# Altium PCB HV_Module_6W.PCBDOC (part 2 of 4)
Units mil, origin at the board's own origin, x right, y up, seen from the top; angles counter-clockwise.
Board outline 5826.77 x 3385.83 mil, 4 copper layers (Top, L2, L3, Bot), stack 62.992 mil thick; 457 components, 280 nets, 1264 pads, 435 vias.
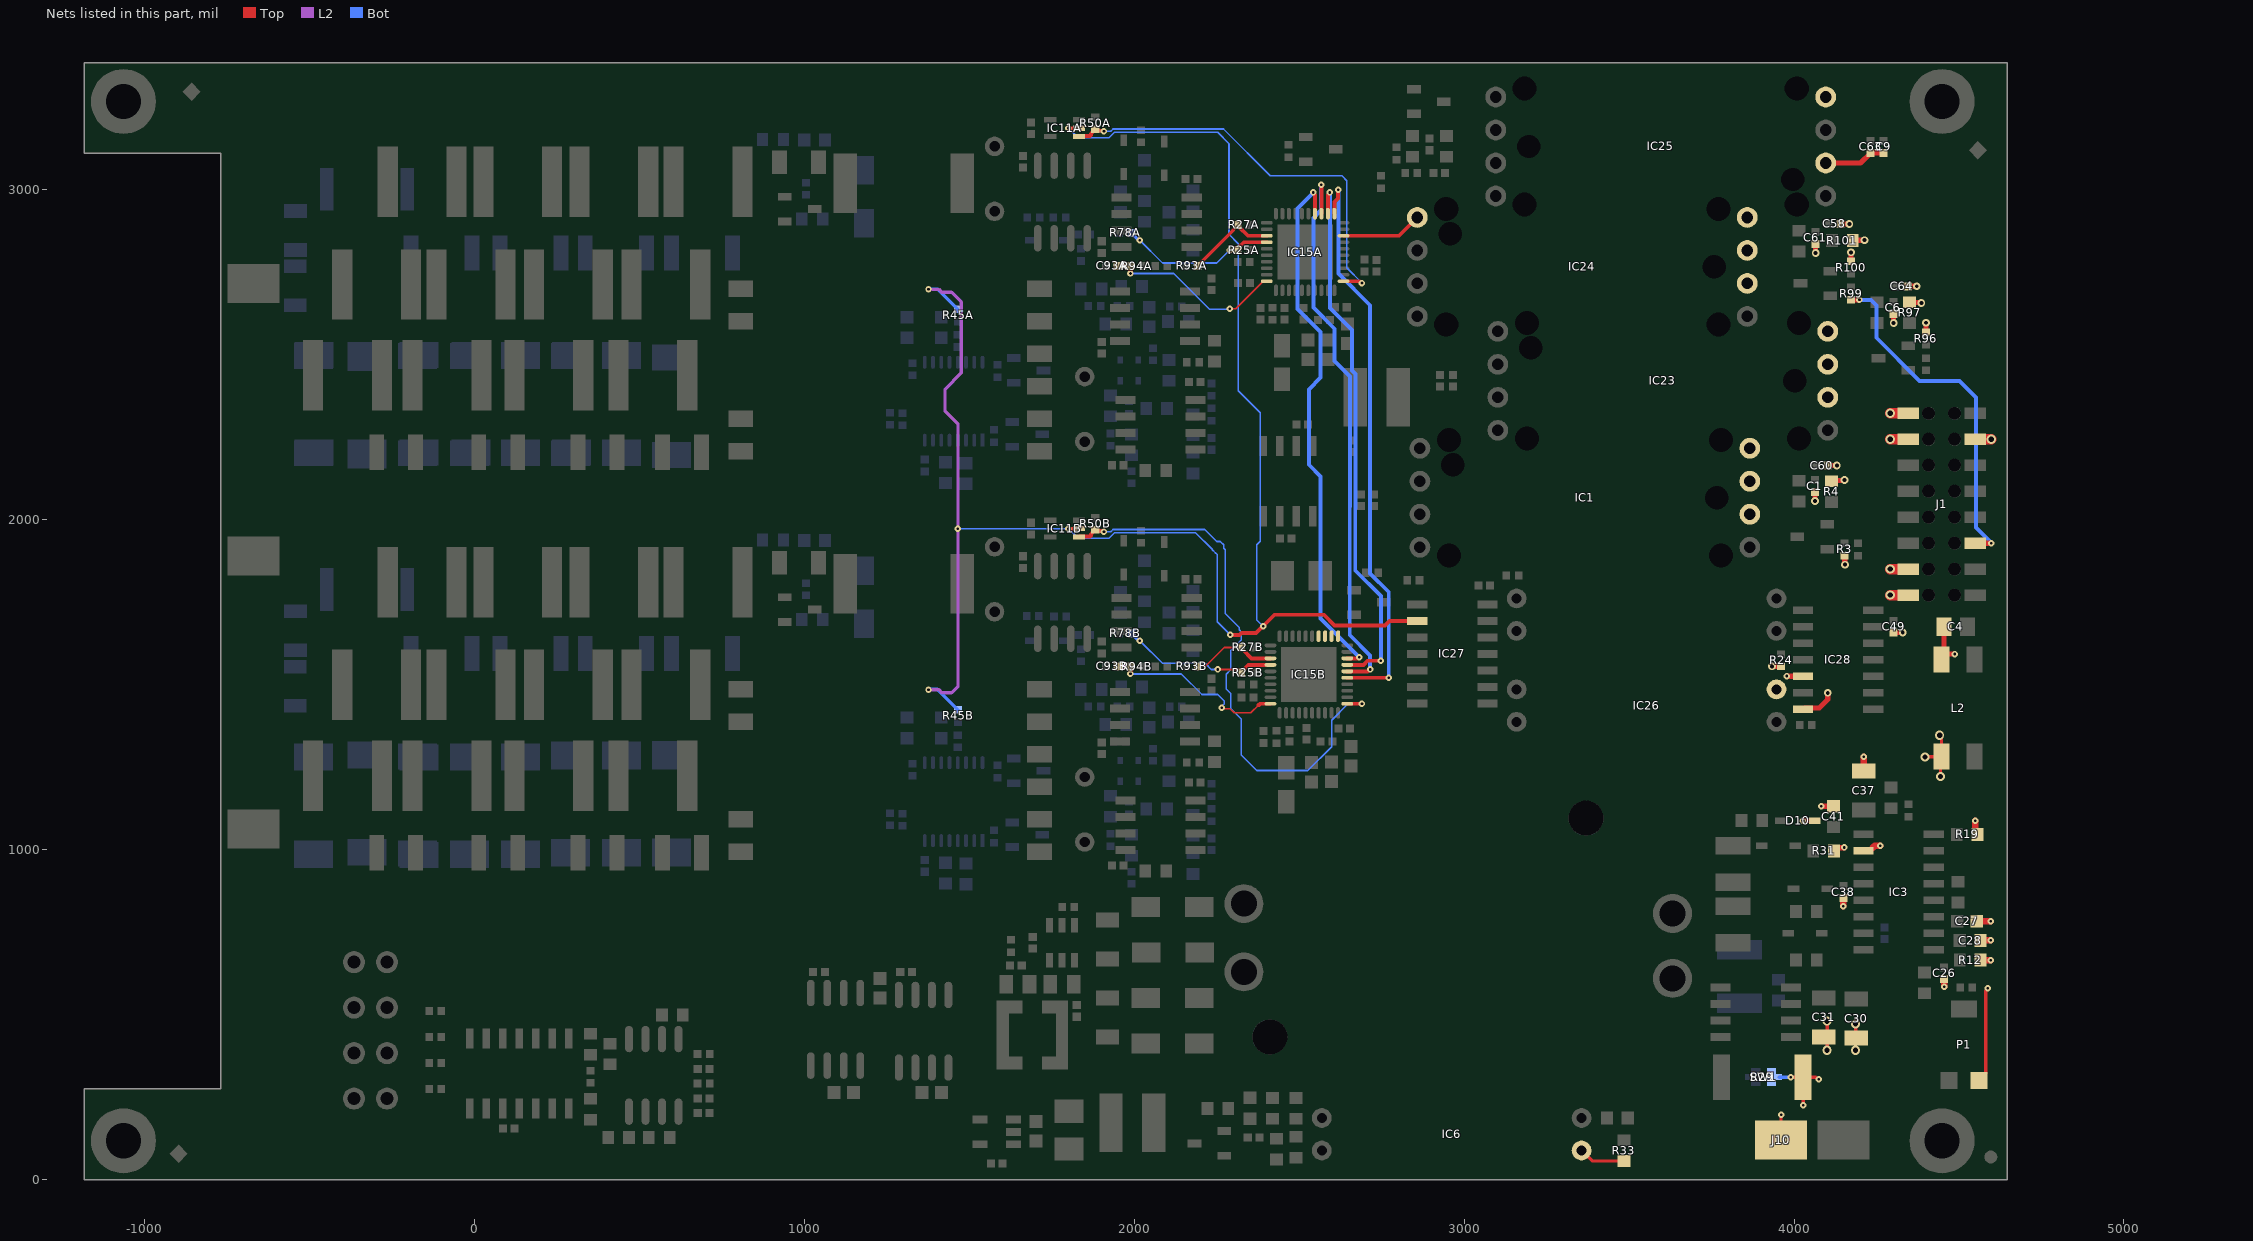
[diagram p4: the nets of this part, all layers, seen from the top]

## Footprints (in the part's own frame and the unit in brackets; to place one, negate y for a bottom-side part, rotate by r counter-clockwise, add the part's x,y. Pads: shape width x height; smd on the part's side, far side on the other; paste and mask are expansions set on the pad) (continued)
RESC3216X50N [mm] "Chip Resistor, EIA 1206, Metric 3216, Body 3.2x1.6mm, IPC Medium Density"
  rect 1.05x1.75 smd: 1(-1.5,0) 2(1.5,0)
  silkscreen extent -0.6,-0.8 0.6,0.8, body extent -1.67,-0.87 1.68,0.88, height 0.51
RESC5025X65N [mm] "Resistor, Chip; 5mm L X 2.5mm W X 0.65mm H, IPC Medium Density"
  rect 1.15x2.7 smd: 1(-2.35,0) 2(2.35,0)
  silkscreen extent -1.4,-1.25 1.4,1.25, body extent -2.55,-1.32 2.55,1.33, height 0.65
RESC6331X70N [mm] "Chip Resistor, EIA 2512, Metric 6331, 2-Leads, Body 6.3x3.1mm, IPC Medium Density"
  rect 1.05x3.3 smd: 1(-3.1,0) 2(3.1,0)
  silkscreen extent -2.2,-1.65 2.2,1.65, body extent -3.25,-1.65 3.25,1.65, height 0.7
RESC6532X80N [mm] "Resistor, Chip; 6.5mm L X 3.25mm W X 0.80mm H, IPC Medium Density"
  rect 1.3x3.5 smd: 1(-3.15,0) 2(3.15,0)
  silkscreen extent -2.15,-1.65 2.15,1.65, body extent -3.25,-1.62 3.25,1.63, height 0.8
SO-8 [mil]
  oval 80x24 smd: 1(0,0) 2(0,-50) 3(0,-100) 4(0,-150) 5(220,-150) 6(220,-100) 7(220,-50) 8(220,0)
  silkscreen extent 60,-175 160,25, body extent -14,-173 230,24, height 69
SOD2512X110N [mm] "Small Outline Diode (SOD-323), 1.70mm W X 1.25mm L X 1.10mm H body,  IPC Medium Density"
  rect 0.9x0.5 smd: 1(-1.3,0) 2(1.3,0)
  silkscreen extent -1.63,-0.65 0.85,0.87, body extent -1.35,-0.67 1.35,0.68, height 1.1
SODFL1608X70N [mm] "SODFL (SOD-523) Diode; 1.20mm W X 0.80mm L X 0.70mm H Body, IPC Medium Density"
  rect 0.55x0.42 smd: 1(-0.8,0) 2(0.8,0)
  silkscreen extent -1.22,-0.3 0,0.83, body extent -0.8,-0.4 0.8,0.4, height 0.7
SOIC127P600X175-8N [mm] "SOIC 8, Pitch 1.27mm - Body 4x5mm, IPC Medium Density"
  rect 1.55x0.6 smd: 1(-2.7,1.905) 2(-2.7,0.635) 3(-2.7,-0.635) 4(-2.7,-1.905) 5(2.7,-1.905) 6(2.7,-0.635) 7(2.7,0.635) 8(2.7,1.905)
  silkscreen extent -2.52,-2.5 1.55,2.88, body extent -3.1,-2.5 3.1,2.5, height 1.75
SOIC127P600X175-14N [mm] "SOIC 14, Pitch 1.27mm - Body 4x8.75mm, IPC Medium Density"
  rect 1.55x0.6 smd: 1(-2.7,3.81) 2(-2.7,2.54) 3(-2.7,1.27) 4(-2.7,0) 5(-2.7,-1.27) 6(-2.7,-2.54) 7(-2.7,-3.81) 8(2.7,-3.81) 9(2.7,-2.54) 10(2.7,-1.27) 11(2.7,0) 12(2.7,1.27) 13(2.7,2.54) 14(2.7,3.81)
  silkscreen extent -2.52,-4.4 1.55,4.78, body extent -3.1,-4.37 3.1,4.38, height 1.75
SOIC127P600X175-16N [mm] "SOIC 16, Pitch 1.27mm - Body 4x10mm, IPC Medium Density"
  rect 1.55x0.6 smd: 1(-2.7,4.445) 2(-2.7,3.175) 3(-2.7,1.905) 4(-2.7,0.635) 5(-2.7,-0.635) 6(-2.7,-1.905) 7(-2.7,-3.175) 8(-2.7,-4.445) 9(2.7,-4.445) 10(2.7,-3.175) 11(2.7,-1.905) 12(2.7,-0.635) 13(2.7,0.635) 14(2.7,1.905) 15(2.7,3.175) 16(2.7,4.445)
  silkscreen extent -2.45,-5 1.55,5.37, body extent -3.1,-5 3.1,5, height 1.75
SOT65P210X110-5N [mm] "SOT353, SC70-5, SOT, 0.65mm Pitch, 5 Pin, 1.25mm W X 2.00mm L X 1.10mm H, IPC Medium Density"
  rect 0.95x0.4 smd: 1(-1.1,0.65) 2(-1.1,0) 3(-1.1,-0.65) 4(1.1,-0.65) 5(1.1,0.65)
  silkscreen extent -1.43,-1 0.3,1.47, body extent -1.2,-1.1 1.2,1.1, height 1.1
SOT95P237X112-3N [mm] "SOT, 0.95mm, pitch; 3 pin,1.30mm W X 2.92mm L X 1.12mm H body, IPC Medium Density"
  rect 1.05x0.6 smd: 1(-1.15,0.95) 2(-1.15,-0.95) 3(1.15,0)
  silkscreen extent -1.53,-1.45 0.3,1.87, body extent -1.25,-1.5 1.25,1.5, height 1.1
SOT95P240X110-3N [mm] "SOT23 3-Leads, Pitch 0.95mm, Body 1.3x2.9mm, IPC Medium Density"
  rect 1.05x0.65 smd: 1(-1.15,0.95) 2(-1.15,-0.95) 3(1.15,0)
  silkscreen extent -1.52,-1.45 0.3,1.92, body extent -1.25,-1.5 1.25,1.5, height 1.1
SOT95P240X130-3N [mm] "SOT23 3-Leads, Pitch 0.95mm - Body 1.3x2.9mm, IPC Medium Density"
  rect 1.05x0.65 smd: 1(-1.15,0.95) 2(-1.15,-0.95) 3(1.15,0)
  silkscreen extent -1.53,-1.45 0.3,1.92, body extent -1.25,-1.5 1.25,1.5, height 1.3
SOT95P275X110-5N [mm] "SOT, 0.95mm Pitch; 5 Pin, 1.50mm W X 3.00mm L X 1.10mm H Body, IPC Medium Density"
  rect 1.15x0.6 smd: 1(-1.3,0.95) 2(-1.3,0) 3(-1.3,-0.95) 4(1.3,-0.95) 5(1.3,0.95)
  silkscreen extent -1.73,-1.5 0.4,1.87, body extent -1.37,-1.5 1.38,1.5, height 1.1
SOT95P280X100-6N [mm] "SOT23, 0.95mm pitch; 6 pin, 1.625mm W X 2.90mm L X 1.00mm H body, IPC Medium Density"
  rect 1.1x0.55 smd: 1(-1.35,0.95) 2(-1.35,0) 3(-1.35,-0.95) 4(1.35,-0.95) 5(1.35,0) 6(1.35,0.95)
  silkscreen extent -1.77,-1.45 0.48,1.87, body extent -1.4,-1.5 1.4,1.5, height 1
TR_FL2015-5L [mm]
  rect 1.91x1.27 smd: 1(11.5,-6.25) 2(11.5,-3.75) 3(11.5,-1.25) 4(11.5,1.25) 5(11.5,3.75) 6(11.5,6.25) 7(-11.5,6.25) 8(-11.5,3.75) 9(-11.5,-3.75) 10(-11.5,-6.25)
  silkscreen extent -10.25,-7.74 10.24,7.75, body extent -12.26,-7.75 12.26,7.75, height 7.8
TRIM_BOURNS_3314G-1 [mm] "Bourns 3314G-1 Single Turn 4mm Square Trimpot® Trimming Potentiometer (Top Adjust)"
  rect 1.3x1.3 smd: 1(1.15,-2.75) 3(-1.15,-2.75)
  rect 2x1.3 smd: 2(0,2.75)
  silkscreen extent -2.5,-2.24 2.5,2.24, body extent -2.5,-3.1 2.5,3.1, height 2.73
WE-TPC_1038 [mm] "Power Inductor, SMD, 2-Leads, body 10x10mm"
  rect 4.6x1.8 smd: 1(0,4.5) 2(0,-4.5)
  silkscreen extent -5,-4.5 5,6.02, body extent -5,-5 5,5, height 3.8

## Part data
B1 B2 B3 B4: library part PLATED_HOLE2.7_PAD5.0, "Single Terminal Socket", Author="CERN DEM JMW", Component Type="Standard (No BOM)", ComponentHeight=0mm, CreateDate=27.09.2011, Family="Plated Hole", HelpURL=Undefined, LatestRevisionDate=27.09.2011, Mounted=No, PackageDescription="Plated Through Hole: Hole Dia.=2.7mm Pad Dia.=5.0mm", Part Description="Plated Through Hole: Hole Dia.=2.7mm Pad Dia.=5.0mm", Part Number=PLATED_HOLE2.7_PAD5.0, Pin Count=1, Sense=No, SMD=No, Socket=No, Status=None
C1 C2 C3 C5A C5B C6 C7 C12A C12B C13A C13B C44 C46 C49 C50 C51 C52 C57 C61 C62 C63 C66 C68 C97: library part CC0402_1UF_16V_10%_X5R, "Non-polarised capacitor", Case=0402, Manufacturer=GENERIC, Manufacturer1 ComponentHeight=0.55mm, Manufacturer1 Example=TDK, Manufacturer1 Part Number=C1005X5R1C105KT, Tolerance=±10%, Voltage=16V, Author="CERN DEM JLC", Component Type=Standard, CreateDate=2012-10-25, HelpURL=\\cern.ch\dfs\Applications\Altium\Datasheets\CC0402_X5R_TDK_C.pdf, LatestRevisionDate=2012-10-25, Manufacturer Part Number=CC0402_1UF_16V_10%_X5R, Mounted=Yes, Part Description="SMD Multilayer Chip Ceramic Capacitor", Part Number=CC0402_1UF_16V_10%_X5R, Pin Count=2, Sense=No, SMD=Yes, Socket=No, Status=Preferred, TC=X5R
C4: library part CC0805_4.7UF_50V_10%_X7R, "Non-polarised capacitor", Case=0805, Manufacturer=GENERIC, Manufacturer1 ComponentHeight=1.45mm, Manufacturer1 Example=TDK, Manufacturer1 Part Number=C2012X7R1H475K125, Tolerance=±10%, Voltage=50V, Author="CERN DEM JMW", Component Type=Standard, CreateDate=30.07.2021, HelpURL=\\cern.ch\dfs\Applications\Altium\Datasheets\CC0805_X7R_TDK_C.pdf, LatestRevisionDate=30.07.2021, Manufacturer Part Number=CC0805_4.7UF_50V_10%_X7R, Mounted=Yes, Part Description="SMD Multilayer Chip Ceramic Capacitor", Part Number=CC0805_4.7UF_50V_10%_X7R, Pin Count=2, Sense=No, SMD=Yes, Socket=No, Status=Preferred, TC=X7R
C8 C9 C10 C18A C18B C23 C24A C24B C25 C42 C58 C59 C60 C64 C65: library part CC0402_100NF_16V_10%_X5R, "Non-polarised capacitor", Case=0402, Manufacturer=GENERIC, Manufacturer1 ComponentHeight=0.55mm, Manufacturer1 Example=MURATA, Manufacturer1 Part Number=GRM155R61C104KA88D, Tolerance=±10%, Voltage=16V, Author="CERN DEM JLC", Component Type=Standard, CreateDate=10.12.2013, HelpURL=\\cern.ch\dfs\Applications\Altium\Datasheets\CC0402_X5R_MURATA_GRM.pdf, LatestRevisionDate=10.12.2013, Manufacturer Part Number=CC0402_100NF_16V_10%_X5R, Mounted=Yes, Part Description="SMD Multilayer Chip Ceramic Capacitor", Part Number=CC0402_100NF_16V_10%_X5R, Pin Count=2, Sense=No, SMD=Yes, Socket=No, Status=None, TC=X5R
C11A C11B C88A C88B C93A C93B: library part CC0402_10NF_25V_10%_X7R, "Non-polarised capacitor", Case=0402, Manufacturer=GENERIC, Manufacturer1 ComponentHeight=0.55mm, Manufacturer1 Example=TDK, Manufacturer1 Part Number=C1005X7R1E103K050, Tolerance=±10%, Voltage=25V, Author="CERN DEM JLC", Component Type=Standard, CreateDate=25.10.2012, HelpURL=\\cern.ch\dfs\Applications\Altium\Datasheets\CC0402_X7R_TDK_C.pdf, LatestRevisionDate=25.10.2012, Manufacturer Part Number=CC0402_10NF_25V_10%_X7R, Mounted=Yes, Part Description="SMD Multilayer Chip Ceramic Capacitor", Part Number=CC0402_10NF_25V_10%_X7R, Pin Count=2, Sense=No, SMD=Yes, Socket=No, Status=Preferred, TC=X7R
C14A C14B: library part CTE3216-18_10UF_16V_20%_AVX_TCJ, "Polarised capacitor", Case=A, Manufacturer=AVX, Manufacturer Part Number=TCJA106M016R0200, Tolerance=±20%, Voltage=16V, Author="CERN DEM JLC", Component Type=Standard, ComponentHeight=1.8mm, CreateDate=29.03.2012, HelpURL=\\cern.ch\dfs\Applications\Altium\Datasheets\CTE_AVX_TCJ.pdf, LatestRevisionDate=29.03.2012, Mounted=Yes, Part Description="ESR 0R200 Tantalum Solid Electrolytic Chip Capacitor with Conductive Polymer Electrode", Part Number=CTE3216-18_10UF_16V_20%_AVX_TCJ, Pin Count=2, Sense=No, SMD=Yes, Socket=No, Status=Preferred
C15A C15B C17A C17B C19A C19B C33 C47 C67 C108: library part CC0603_10UF_16V_20%_X5R, "Non-polarised capacitor", Case=0603, Manufacturer=GENERIC, Manufacturer1 ComponentHeight=0.8mm, Manufacturer1 Example=MURATA, Manufacturer1 Part Number=GRM188R61C106MA73D, Tolerance=±20%, Voltage=16V, Author="CERN DEM MR", Component Type=Standard, CreateDate=02.03.2016, HelpURL=\\cern.ch\dfs\Applications\Altium\Datasheets\CC0603_X5R_MURATA_GRM.pdf, LatestRevisionDate=02.03.2016, Manufacturer Part Number=CC0603_10UF_16V_20%_X5R, Mounted=Yes, Part Description="SMD Multilayer Chip Ceramic Capacitor", Part Number=CC0603_10UF_16V_20%_X5R, Pin Count=2, Sense=No, SMD=Yes, Socket=No, Status=None, TC=X5R
C16A C16B C20A C20B C21A C21B C22A C22B C26 C29 C38 C54 C55 C56 C84A C84B C85A C85B C89A C89B C92A C92B: library part CC0402_100NF_16V_10%_X7R, "Non-polarised capacitor", Case=0402, Manufacturer=GENERIC, Manufacturer1 ComponentHeight=0.55mm, Manufacturer1 Example=MURATA, Manufacturer1 Part Number=GRM155R71C104KA88D, Tolerance=±10%, Voltage=16V, Author="CERN DEM JLC", Component Type=Standard, HelpURL=\\cern.ch\dfs\Applications\Altium\Datasheets\CC0402_X7R_MURATA_GRM.pdf, Manufacturer Part Number=CC0402_100NF_16V_10%_X7R, Mounted=Yes, Part Description="SMD Multilayer Chip Ceramic Capacitor", Part Number=CC0402_100NF_16V_10%_X7R, Pin Count=2, SMD=Yes, Socket=No, Status="Not Recommended", TC=X7R
  C16A C16B C20A C20B C21A C21B C22A C22B C85A C85B C92A C92B: CreateDate=2013-12-05, LatestRevisionDate=2007-12-03, Sense=No
  C26 C29 C38 C56: CreateDate=2013-12-05, LatestRevisionDate=2007-12-03, Table="Capacitors SMD"
  C54 C55 C84A C84B C89A C89B: CreateDate=05.12.2013, LatestRevisionDate=03.12.2007, Sense=No
C27: library part CC0603_1NF_50V_5%_NP0, "Non-polarised capacitor", Case=0603, Manufacturer=GENERIC, Manufacturer1 ComponentHeight=0.9mm, Manufacturer1 Example="YAGEO PHYCOMP", Manufacturer1 Part Number=CC0603JRNPO9BN102, Tolerance=±5%, Voltage=50V, Author="CERN DEM JLC", Component Type=Standard, CreateDate=22.10.2012, HelpURL=\\cern.ch\dfs\Applications\Altium\Datasheets\CC0805_NP0_PHYCOMP_16VTO50V.pdf, LatestRevisionDate=22.10.2012, Manufacturer Part Number=CC0603_1NF_50V_5%_NP0, Mounted=Yes, Part Description="SMD Multilayer Chip Ceramic Capacitor", Part Number=CC0603_1NF_50V_5%_NP0, Pin Count=2, Sense=No, SMD=Yes, Socket=No, Status=Preferred, TC=C0G/NP0
C28 C41 C71A C71B C72A C72B C75A C75B C81A C81B: library part CC0603_1UF_25V_10%_X7R, "Non-polarised capacitor", Case=0603, Manufacturer=GENERIC, Manufacturer1 ComponentHeight=0.9mm, Manufacturer1 Example=MURATA, Manufacturer1 Part Number=GRM188R71E105KA12D, Tolerance=±10%, Voltage=25V, Author="CERN DEM JLC", Component Type=Standard, CreateDate=2011-01-18, HelpURL=\\cern.ch\dfs\Applications\Altium\Datasheets\CC0603_X7R_MURATA.pdf, LatestRevisionDate=2011-01-18, Manufacturer Part Number=CC0603_1UF_25V_10%_X7R, Mounted=Yes, Part Description="SMD Multilayer Chip Ceramic Capacitor", Part Number=CC0603_1UF_25V_10%_X7R, Pin Count=2, Sense=No, SMD=Yes, Socket=No, Status=None, TC=X7R
C30 C37: library part CC1206_10UF_25V_10%_X7R, "Non-polarised capacitor", Case=1206, Manufacturer=GENERIC, Manufacturer1 ComponentHeight=1.8mm, Manufacturer1 Example=KEMET, Manufacturer1 Part Number=C1206C106K4RACTU, Manufacturer Part Number=CC1206_10uF_25V_10%_X7R, Tolerance=±10%, Voltage=25V, Author="CERN DEM JLC", Component Type=Standard, CreateDate=2012-09-12, HelpURL=\\cern.ch\dfs\Applications\Altium\Datasheets\CC1206_X7R_KEMET.pdf, LatestRevisionDate=2012-09-12, Mounted=Yes, Part Description="SMD Multilayer Chip Ceramic Capacitor", Part Number=CC1206_10UF_25V_10%_X7R, Pin Count=2, SMD=Yes, Socket=No, Status=Preferred, Table="Capacitors SMD", TC=X7R
C31 C34 C35 C70A C70B: library part CC1206_47UF_25V_20%_X5R, "Non-polarised capacitor", Case=1206, Manufacturer=TDK, Manufacturer Part Number=C3216X5R1E476M160AC, Tolerance=±20%, Voltage=25V, Author="CERN DEM JLC", Component Type=Standard, ComponentHeight=1.8mm, CreateDate=2013-11-20, HelpURL=\\cern.ch\dfs\Applications\Altium\Datasheets\CC1206_X5R_TDK_C.pdf, LatestRevisionDate=2013-11-20, Mounted=Yes, Part Description="SMD Multilayer Chip Ceramic Capacitor", Part Number=CC1206_47UF_25V_20%_X5R, Pin Count=2, SMD=Yes, Socket=No, Status=None, Table="Capacitors SMD", TC=X5R
C32 C45: library part CC0805_22UF_16V_10%_X5R, "Non-polarised capacitor", Case=0805, Manufacturer=GENERIC, Manufacturer1 ComponentHeight=1.35mm, Manufacturer1 Example=TDK, Manufacturer1 Part Number=C2012X5R1C226KT, Tolerance=±10%, Voltage=16V, Author="CERN DEM JLC", Component Type=Standard, CreateDate=25.10.2012, HelpURL=\\cern.ch\dfs\Applications\Altium\Datasheets\CC0805_X5R_TDK_C.pdf, LatestRevisionDate=25.10.2012, Manufacturer Part Number=CC0805_22UF_16V_10%_X5R, Mounted=Yes, Part Description="SMD Multilayer Chip Ceramic Capacitor", Part Number=CC0805_22UF_16V_10%_X5R, Pin Count=2, Sense=No, SMD=Yes, Socket=No, Status=Preferred, TC=X5R
C36: library part CC1812_100NF_500V_10%_X7R, "Non-polarised capacitor", Case=1812, Manufacturer=GENERIC, Manufacturer1 ComponentHeight=2.5mm, Manufacturer1 Example=SYFER, Manufacturer1 Part Number=1812Y5000104KXB, Tolerance=±10%, Voltage=500V, Author="CERN DEM JMW", Component Type=Standard, CreateDate=2009-01-23, HelpURL=\\cern.ch\dfs\Applications\Altium\Datasheets\CC1812_X7R_SYFER.pdf, LatestRevisionDate=2011-06-07, Manufacturer Part Number=CC1812_100NF_500V_10%_X7R, Mounted=Yes, Part Description="SMD Multilayer Chip Ceramic Capacitor", Part Number=CC1812_100NF_500V_10%_X7R, Pin Count=2, Sense=No, SMD=Yes, Socket=No, Status=None, TC=X7R
C39 C40: library part CMIC1210_220PF_100V_0.5PF_CORNELL_MC12FA221D-F, "Non-polarised capacitor", Case=1210, Manufacturer="CORNELL DUBILIER", Manufacturer Part Number=MC12FA221D-F, Tolerance=±0.5pF, Voltage=100V, Author="CERN DEM JLC", Component Type=Standard, ComponentHeight=2mm, CreateDate=2011-08-10, HelpURL=\\cern.ch\dfs\Applications\Altium\Datasheets\CMIC1210_CORNELL_MC.pdf, LatestRevisionDate=2011-08-10, Mounted=Yes, Part Description="SMD RF Multilayer Mica Capacitor (Type MC)", Part Number=CMIC1210_220PF_100V_0.5PF_CORNELL_MC12FA221D-F, Pin Count=2, Sense=No, SMD=Yes, Socket=No, Status="Not Recommended"
C43 C48: library part CC0603_270PF_50V_5%_NP0, "Non-polarised capacitor", Case=0603, Manufacturer=GENERIC, Manufacturer1 ComponentHeight=0.87mm, Manufacturer1 Example=PHYCOMP, Manufacturer1 Part Number=223886715271, Tolerance=±5%, Voltage=50V, Author="CERN DEM JLC", Component Type=Standard, CreateDate=2007-12-03, HelpURL=\\cern.ch\dfs\Applications\Altium\Datasheets\CC0603_NP0_PHYCOMP.pdf, LatestRevisionDate=2007-12-03, Manufacturer Part Number=CC0603_270PF_50V_5%_NP0, Mounted=Yes, Part Description="SMD Multilayer Chip Ceramic Capacitor", Part Number=CC0603_270PF_50V_5%_NP0, Pin Count=2, Sense=No, SMD=Yes, Socket=No, Status=Preferred, TC=C0G/NP0
C53 C100: library part CTE3528-21_22UF_20V_10%, "Polarised capacitor", Case=B, Manufacturer=GENERIC, Manufacturer1 ComponentHeight=2.1mm, Manufacturer1 Example=AVX, Manufacturer1 Part Number=TAJB226K020R, Tolerance=±10%, Voltage=20V, Author="CERN DEM JLC", Component Type=Standard, CreateDate=03/12/2007, HelpURL=\\cern.ch\dfs\Applications\Altium\Datasheets\CTE_AVX_TAJ.pdf, LatestRevisionDate=03/12/2007, Manufacturer Part Number=CTE3528-21_22UF_20V_10%, Mounted=Yes, Part Description="Solid Tantalum Chip Capacitor", Part Number=CTE3528-21_22UF_20V_10%, Pin Count=2, Sense=No, SMD=Yes, Socket=No, Status=Preferred
C69A C69B: library part CPER_47NF_63V_10%_500-250X720X650, "Non-polarised capacitor", Case="LS5 W2.5 x L7.2 x H6.5", Manufacturer=TDK, Manufacturer Part Number=B32529C0473K000, Tolerance=±10%, Voltage=63VDC/40VAC, Author="CERN DEM JLC", Component Type=Standard, ComponentHeight=6.5mm, CreateDate=2007-12-19, HelpURL=\\cern.ch\dfs\Applications\Altium\Datasheets\CPER_TDK_B32529.pdf, LatestRevisionDate=2015-04-22, Mounted=Yes, Part Description="Metallized Polyester Film Capacitor (MKT)", Part Number=CPER_47NF_63V_10%_500-250X720X650, Pin Count=2, Sense=No, SMD=No, Socket=No, Status=None
C73A C73B C94A C94B C95A C95B C96A C96B: library part CC1210_6.8NF_2KV_10%_X7R, "Non-polarised capacitor", Case=1210, Manufacturer=GENERIC, Manufacturer1 ComponentHeight=1.7mm, Manufacturer1 Example=KEMET, Manufacturer1 Part Number=C1210C682KGRACTU, Tolerance=±10%, Voltage=2kV, Author=GK, Component Type=Standard, CreateDate=03.02.2016, HelpURL=\\cern.ch\dfs\Applications\Altium\Datasheets\CC1206_X7R_AVX_HV-MLC.pdf, LatestRevisionDate=03.02.2016, Manufacturer Part Number=CC1210_6.8NF_2KV_10%_X7R, Mounted=Yes, Part Description="High Voltage MLC Chip Capacitor", Part Number=CC1210_6.8NF_2KV_10%_X7R, Pin Count=2, Sense=No, SMD=Yes, Socket=No, Status=None, TC=X7R
C74A C74B: library part CC0402_1NF_50V_10%_X7R, "Non-polarised capacitor", Case=0402, Manufacturer=GENERIC, Manufacturer1 ComponentHeight=0.55mm, Manufacturer1 Example=PHYCOMP, Manufacturer1 Part Number=223858715623, Tolerance=±10%, Voltage=50V, Author="CERN DEM JLC", Component Type=Standard, CreateDate=2007-12-03, HelpURL=\\cern.ch\dfs\Applications\Altium\Datasheets\CC0402_X7R_PHYCOMP.pdf, LatestRevisionDate=2007-12-03, Manufacturer Part Number=CC0402_1NF_50V_10%_X7R, Mounted=Yes, Part Description="SMD Multilayer Chip Ceramic Capacitor", Part Number=CC0402_1NF_50V_10%_X7R, Pin Count=2, Sense=No, SMD=Yes, Socket=No, Status="Not Recommended", TC=X7R
C76A C76B: library part CPER_100NF_100V_10%_500-250X720X650, "Non-polarised capacitor", Case="LS5 W2.5 x L7.2 x H6.5", Manufacturer=TDK, Manufacturer Part Number=B32529C1104K000, Tolerance=±10%, Voltage=100VDC/63VAC, Author="CERN DEM JLC", Component Type=Standard, ComponentHeight=6.5mm, CreateDate=2010-03-22, HelpURL=\\cern.ch\dfs\Applications\Altium\Datasheets\CPER_TDK_B32529.pdf, LatestRevisionDate=2015-04-22, Mounted=Yes, Part Description="Metallized Polyester Film Capacitor (MKT)", Part Number=CPER_100NF_100V_10%_500-250X720X650, Pin Count=2, Sense=No, SMD=No, Socket=No, Status=None
C77A C77B C87A C87B C91A C91B: library part CC0603_10NF_50V_5%_C0G, "Non-polarised capacitor", Case=0603, Manufacturer=GENERIC, Manufacturer1 ComponentHeight=0.9mm, Manufacturer1 Example=TDK, Manufacturer1 Part Number=C1608C0G1H103J080AA, Tolerance=±5%, Voltage=50V, Author="CERN DEM JLC", Component Type=Standard, CreateDate=2014-12-10, HelpURL=\\cern.ch\dfs\Applications\Altium\Datasheets\CC0603_C0G_TDK_C.pdf, LatestRevisionDate=2014-12-10, Manufacturer Part Number=CC0603_10NF_50V_5%_C0G, Mounted=Yes, Part Description="SMD Multilayer Chip Ceramic Capacitor", Part Number=CC0603_10NF_50V_5%_C0G, Pin Count=2, Sense=No, SMD=Yes, Socket=No, Status=Preferred, TC=C0G/NP0
C78A C78B C79A C79B C80A C80B C98A C98B C99A C99B C101A C101B C102A C102B C103A C103B C104A C104B C105A C105B C106A C106B C107A C107B: library part CC2220_22NF_2KV_10%_X7R, "Non-polarised capacitor", Case=2220, Manufacturer=KEMET, Manufacturer Part Number=C2220C223KGRACAUTO, Tolerance=±10%, Voltage=2KV, Author=GK, Component Type=Standard, ComponentHeight=3.4mm, CreateDate=05.03.2015, HelpURL=\\cern.ch\dfs\Applications\Altium\Datasheets\CC2220_X7R_AVX_FLEXITERM.pdf, LatestRevisionDate=10.04.2017, Mounted=Yes, Part Description="High Voltage SMD Multilayer Chip Ceramic Capacitor FLEXITERM", Part Number=CC2220_22NF_2KV_10%_X7R, Pin Count=2, Sense=No, SMD=Yes, Socket=No, Status=None, TC=X7R
C82A C82B: library part CC0603_NO-VALUE, "Non-polarised capacitor", Case=0603, Manufacturer1 ComponentHeight=0.9mm, Author="CERN DEM MR", Component Type=Standard, CreateDate=22.11.2016, HelpURL=Undefined, LatestRevisionDate=22.11.2016, Manufacturer=Undefined, Manufacturer Part Number=CC0603_NO-VALUE, Mounted=No, Part Description="Reserved Footprint For 0603(1608) Chip Ceramic Capacitor", Part Number=CC0603_NO-VALUE, Pin Count=2, Sense=No, SMD=Yes, Socket=No, Status=None
C86A C86B C90A C90B: library part CC0603_220NF_10V_10%_X7R, "Non-polarised capacitor", Case=0603, Manufacturer=GENERIC, Manufacturer1 ComponentHeight=0.9mm, Manufacturer1 Example="YAGEO PHYCOMP", Manufacturer1 Part Number="223824615654 or CC0603KRX7R6BB224", Tolerance=±10%, Voltage=10V, Author="CERN DEM JLC", Component Type=Standard, CreateDate=2012-10-25, HelpURL=\\cern.ch\dfs\Applications\Altium\Datasheets\CC0603_X7R_PHYCOMP.pdf, LatestRevisionDate=2012-10-25, Manufacturer Part Number=CC0603_220NF_10V_10%_X7R, Mounted=Yes, Part Description="SMD Multilayer Chip Ceramic Capacitor", Part Number=CC0603_220NF_10V_10%_X7R, Pin Count=2, Sense=No, SMD=Yes, Socket=No, Status=Preferred, TC=X7R
D1A D1B D2A D2B D12A D12B D13A D13B D19A D19B D20A D20B D21A D21B D22A D22B D23A D23B D24A D24B D25A D25B D26A D26B D27A D27B D28A D28B D29A D29B D30A D30B: library part D_SP5LG, "270mA High Voltage Fast Recovery Rectifier 5000 Volts", Case=DO-214AC, Manufacturer=DEAN/GETE, Power=270mA, Voltage=5000V, Author=GK, Bonding=No, Component Type=Standard, ComponentHeight=2.29mm, CreateDate=18.11.2015, Device=SP5LG, HelpURL=\\cern.ch\dfs\Applications\Altium\Datasheets\BYG23T-M3.pdf, LatestRevisionDate=29.06.2022, Manufacturer Part Number=SP5LG, Mounted=Yes, PackageDescription="DO-214-AC/SMA Diode, Molded Body; 5.10mm L X 2.67mm W X 2.29mm H, IPC Medium Density", Part Description="270mA High Voltage Fast Recovery Rectifier 4000 Volts", Part Number=SP5LG, Pin Count=2, PressFit=No, Sense=No, SMD=Yes, Socket=No
D3 D6 D9 D10 D14A D14B: "Schottky Diode", Case=SOD323, Manufacturer=INFINEON, Power=750mA, Voltage=40V, Author="CERN DEM JLC", Bonding=No, Component Type=Standard, ComponentHeight=1.1mm, CreateDate=2014-11-12, Device=BAT165, HelpURL=\\cern.ch\dfs\Applications\Altium\Datasheets\BAT165.pdf, LatestRevisionDate=2014-11-12, Manufacturer Part Number=BAT165, PackageDescription="Small Outline Diode Flat Lead (SOD-323), 1.70mm W X 1.25mm L X 1.10mm H body,  IPC Medium Density", Part Description="Medium Power AF Schottky Diode", Part Number=BAT165, Pin Count=2, PressFit=No, SMD=Yes, Socket=No
  D3 D6 D9 D10: Mounted=No, Table=Diodes
  D14A D14B: Mounted=Yes, Sense=No
D4 D5 D7 D8 D11A D11B: "Schottky Diode", Case=DO-214AC, Manufacturer="VISHAY GENERAL SEMICONDUCTOR", Power=1A, Voltage=60V, Author="CERN DEM JLC", Bonding=No, Component Type=Standard, ComponentHeight=2.29mm, CreateDate=2008-07-15, Device=SS16, HelpURL=\\cern.ch\dfs\Applications\Altium\Datasheets\SS16.pdf, LatestRevisionDate=2010-08-23, Manufacturer Part Number=SS16, Mounted=Yes, PackageDescription="DO-214-AC Molded Diode, Body 5.1x2.7mm, IPC Medium Density", Part Description="Surface Mount Schottky Barrier Rectifier", Part Number=SS16, Pin Count=2, PressFit=No, Sense=No, SMD=Yes, Socket=No
D15A D15B D17A D17B: "Schottky Diode", Case=SOD-323, Manufacturer=INFINEON, Power=750mA, Voltage=40V, Author="CERN DEM JLC", Bonding=No, Component Type=Standard, ComponentHeight=1.1mm, CreateDate=12.11.2014, Device=BAT165, HelpURL=\\cern.ch\dfs\Applications\Altium\Datasheets\BAT165.pdf, LatestRevisionDate=12.11.2014, Manufacturer Part Number=BAT165, Mounted=Yes, PackageDescription="Small Outline Diode (SOD-323), 1.70mm W X 1.25mm L X 1.10mm H body,  IPC Medium Density", Part Description="Medium Power AF Schottky Diode", Part Number=BAT165, Pin Count=2, PressFit=No, Sense=No, SMD=Yes, Socket=No
D16A D16B D18A D18B: "Transient Voltage Suppressor Diode (Uni-Directional)", Case=SOD-523, Manufacturer="VISHAY SEMICONDUCTORS", Power=100W, Voltage=1V, Author="CERN DEM BC", Bonding=No, Component Type=Standard, ComponentHeight=0.7mm, CreateDate=19.05.2020, Device=VESD01C1-02VHG3, HelpURL=\\cern.ch\dfs\Applications\Altium\Datasheets\VESD01C1-02VHG3.pdf, LatestRevisionDate=19.05.2020, Manufacturer Part Number=VESD01C1-02VHG3, Mounted=Yes, PackageDescription="SODFL (SOD-523) Diode; 1.20mm W X 0.80mm L X 0.70mm H body, IPC Medium Density", Part Description="Single-Line ESD-Protection (30kV) Diode", Part Number=VESD01C1-02VHG3, Pin Count=2, PressFit=No, Sense=No, SMD=Yes, Socket=No
FTG1: library part FIDUCIAL_TARGET_C100-200, "Fiducial Target", Author="CERN DEM JLC", Component Type="Standard (No BOM)", ComponentHeight=0mm, CreateDate=09.02.2010, Family=Fiducial, HelpURL=Undefined, LatestRevisionDate=04.04.2012, Mounted=No, PackageDescription="Round Fiducial Target, Top Layer, 1.0mm, Top Solder 2.0mm, Keepout =2.0mm", Part Description="Round Fiducial Target, Top Layer, 1.0mm, Top Solder 2.0mm, Keepout =2.0mm", Part Number=FIDUCIAL_TARGET_C100-200, Pin Count=1, Sense=No, SMD=Yes, Socket=No, Status=None
FTG2 FTG3 FTG4: library part FIDUCIAL_TARGET_S100-200, "Fiducial Target", Author="CERN DEM JLC", Component Type="Standard (No BOM)", ComponentHeight=0mm, CreateDate=09.02.2010, Family=Fiducial, HelpURL=Undefined, LatestRevisionDate=04.04.2012, Mounted=No, PackageDescription="Square Fiducial Target, Top Layer, 1.0mm, Top Solder 2.0mm, Keepout =2.0mm", Part Description="Square Fiducial Target, Top Layer, 1.0mm, Top Solder 2.0mm, Keepout =2.0mm", Part Number=FIDUCIAL_TARGET_S100-200, Pin Count=1, Sense=No, SMD=Yes, Socket=No, Status=None
IC1 IC23 IC24 IC25: "High Voltage Galvanic Insulation Link for DC to 5MBaud", Manufacturer=BROADCOM, Author="CERN DEM HF", Bonding=No, Component Type=Standard, ComponentHeight=6.7mm, CreateDate=10.02.2022, Device=AFBR-390525RZ, HelpURL=\\cern.ch\dfs\Applications\Altium\Datasheets\AFBR-390525RZ.pdf, LatestRevisionDate=10.02.2022, Manufacturer Part Number=AFBR-390525RZ, Mounted=Yes, PackageDescription="BROADCOM AFBR-390525RZ Case, Body 30.46mm L X 10.16mm W X 6.7mm H", Part Description="High Voltage Galvanic Insulation Link for DC to 5MBaud, Length 25mm, 15kV Voltage Supperssion", Part Number=AFBR-390525RZ, Pin Count=8, PressFit=No, Sense=No, SMD=No, Socket=No
IC2 IC5: library part PM_TC7660, "20mA PUMP DC-TO-DC VOLTAGE CONVERTER"
IC3: library part PM_L6599, "Improved high voltage resonant LLC controller", Case=SO-16, Manufacturer="ST MICROELECTRONICS", Author=GK, Bonding=No, Component Type=Standard, ComponentHeight=1.75mm, CreateDate=2016-05-23, Device=L6599AD, LatestRevisionDate=2016-05-23, Manufacturer Part Number=L6599AD, Mounted=Yes, PackageDescription="SOIC 16, Pitch 1.27mm - Body 4x10mm, IPC Medium Density", Part Description="Improved high voltage resonant controller", Part Number=L6599AD, Pin Count=16, PressFit=No, Sense=No, SMD=Yes, Socket=No
IC4A IC4B IC19: library part OA_LMV358, "Low voltage, Rail-to_Rail output Operational Amplifier"
IC6 IC8 IC26: library part OPTO-OPI1264C, "10kV opto-coupler", Supplier Part Number 1=08F2863, Supplier 1=Newark
IC7: "Precision Reference 1=Cathode 2=Adj 3=Anode", Case=SOT-23, Manufacturer="TEXAS INSTRUMENTS", Author="CERN DEM JMW", Bonding=No, Component Type=Standard, ComponentHeight=1.12mm, CreateDate=2015-10-22, Device=TL431AIDBZ, HelpURL=\\cern.ch\dfs\Applications\Altium\Datasheets\TL431AIDBZ.pdf, LatestRevisionDate=2015-10-22, Manufacturer Part Number=TL431AIDBZ, Mounted=Yes, PackageDescription="SOT, 0.95mm, Pitch; 3 Pin,1.30mm W X 2.92mm L X 1.12mm H Body, IPC Medium Density", Part Description="Vref (2.495V) To 36V 1% Precision Programmable Reference", Part Number=TL431AIDBZ, Pin Count=3, PressFit=No, Sense=No, SMD=Yes, Socket=No
IC10A IC10B: library part UC3872, "Resonant Lamp Ballast Controller"
IC11A IC11B: "Single Bus Buffer Gate With 3-State Output", Case=SOT353, Manufacturer=NEXPERIA, Author="CERN DEM JMW", Bonding=No, Component Type=Standard, ComponentHeight=1.1mm, CreateDate=06.08.2020, Device=74HCT1G125GW, HelpURL=\\cern.ch\dfs\Applications\Altium\Datasheets\74HCT1G125GW.pdf, LatestRevisionDate=06.08.2020, Manufacturer Part Number=74HCT1G125GW, Mounted=Yes, PackageDescription="SOT353, SC70-5, 0.65mm Pitch; 5 Pin, 1.25mm W X 2.00mm L X 1.10mm H body, IPC Medium Density", Part Description="Bus Buffer/Line Driver 3-State", Part Number=74HCT1G125GW, Pin Count=5, PressFit=No, Sense=No, SMD=Yes, Socket=No
IC13A IC13B IC14A IC14B IC16A IC16B: library part OA_ADA4510-2ARZ, "Precision, 40 V, ±70 nV/°C, Rail-to-Rail Input and Output Op Amp with DigiTrim", Case=SOIC8, Manufacturer="ANALOG DEVICES", Author=GK, Bonding=No, Component Type=Standard, ComponentHeight=1.75mm, CreateDate=05.01.2023, Device=ADA4510-2ARZ, HelpURL=\\cern.ch\dfs\Applications\Altium\Datasheets\ADA4522-X.pdf, LatestRevisionDate=05.01.2023, Manufacturer Part Number=ADA4510-2ARZ, Mounted=Yes, PackageDescription="SOIC 8, Pitch 1.27mm - Body 4x5mm, IPC Medium Density", Part Description="40V, EMI Enhanced, Zero Drift, Ultralow Noise, Dual Rail-to-Rail Output Operational Amplifier", Part Number=ADA4510-2ARZ, Pin Count=8, PressFit=No, Sense=No, SMD=Yes, Socket=No
IC15A IC15B: "12-/16-Bit DAS with ADC, DACs, DPIOs, APIOs, Reference, Voltage Monitors, and Temp Sensor", Case=QFN40, Manufacturer=MAXIM, Author="CERN DEM HF", Bonding=No, Component Type=Standard, ComponentHeight=0.8mm, CreateDate=09.02.2022, Device=MAX1329BETL+, HelpURL=\\cern.ch\dfs\Applications\Altium\Datasheets\MAX1329BETL+.pdf, LatestRevisionDate=09.02.2022, Manufacturer Part Number=MAX1329BETL+, Mounted=Yes, PackageDescription="QFN, 0.50mm Pitch, Square; 40 Pin, 6.00mm L X 6.00mm W X 0.80mm H body (w/Thermal Tab 4.25 X 4.25mm), IPC Medium Density", Part Description="12-/16-Bit DAS with ADC, DACs, DPIOs, APIOs, Reference, Voltage Monitors, and Temp Sensor", Part Number=MAX1329BETL+, Pin Count=41, PressFit=No, Sense=No, SMD=Yes, Socket=No
IC18: "Quad Operational Amplifier", Case=SOIC14, Manufacturer="TEXAS INSTRUMENTS", Author="CERN DEM MR", Bonding=No, Component Type=Standard, ComponentHeight=1.75mm, CreateDate=23.03.2016, Device=LP339M/NOPB, HelpURL=\\cern.ch\dfs\Applications\Altium\Datasheets\LP339M-NOPB.pdf, LatestRevisionDate=23.03.2016, Manufacturer Part Number=LP339M/NOPB, Mounted=Yes, PackageDescription="SOIC 14, Pitch 1.27mm - Body 4x8.75mm, IPC Medium Density", Part Description="Ultra-Low Power Quad Comparator", Part Number=LP339M/NOPB, Pin Count=14, PressFit=No, Sense=No, SMD=Yes, Socket=No
IC20: "3.3V 300mA, Ultra-Low Quiescent Current, IQ 12uA, Ultra-Low Noise, LDO Voltage Regulator", Case=SOT23-5, Manufacturer="ON SEMICONDUCTOR", Author="CERN DEM JLC", Bonding=No, Component Type=Standard, ComponentHeight=1.1mm, CreateDate=16.02.2017, Device=NCP703SN33T1G, HelpURL=\\cern.ch\dfs\Applications\Altium\Datasheets\NCP703SN33T1G.pdf, LatestRevisionDate=16.02.2017, Manufacturer Part Number=NCP703SN33T1G, Mounted=Yes, PackageDescription="SOT, 0.95mm Pitch; 5 Pin, 1.50mm W X 3.00mm L X 1.10mm H Body, IPC Medium Density", Part Description="3.3V 300mA, Ultra-Low Quiescent Current, IQ 12uA, Ultra-Low Noise, LDO Voltage Regulator", Part Number=NCP703SN33T1G, Pin Count=5, PressFit=No, Sense=No, SMD=Yes, Socket=No
IC21: "2.5V ±0.12% 10ppm/°C Ultralow Noise XFET Voltage References with Current Sink and Source Capability", Case=SOIC8, Manufacturer="ANALOG DEVICES", Author="CERN DEM JLC", Bonding=No, Component Type=Standard, ComponentHeight=1.75mm, CreateDate=26.08.2013, Device=ADR431ARZ, HelpURL=\\cern.ch\dfs\Applications\Altium\Datasheets\ADR431ARZ.pdf, LatestRevisionDate=26.08.2013, Manufacturer Part Number=ADR431ARZ, Mounted=Yes, PackageDescription="SOIC 8, Pitch 1.27mm, Body 4x5mm, IPC Medium Density", Part Description="2.5V Output,  3mV ±0.12% Accuracy, 10ppm/°C Ultralow Noise XFET Voltage References with Current Sink and Source Capability", Part Number=ADR431ARZ, Pin Count=6, PressFit=No, Sense=No, SMD=Yes, Socket=No
IC27 IC28: "Hex Schmitt-Trigger Inverter", Case=SOIC14, Manufacturer="TEXAS INSTRUMENTS", Author="CERN DEM JMW", Bonding=No, Component Type=Standard, ComponentHeight=1.75mm, CreateDate=29.09.2008, Device=SN74LVC14AD, HelpURL=\\cern.ch\dfs\Applications\Altium\Datasheets\SN74LVC14AD.pdf, LatestRevisionDate=29.09.2008, Manufacturer Part Number=SN74LVC14AD, Mounted=Yes, PackageDescription="SOIC 14, Pitch 1.27mm - Body 4x8.75mm, IPC Medium Density", Part Description="Hex Schmitt-Trigger Inverter", Part Number=SN74LVC14AD, Pin Count=14, PressFit=No, Sense=No, SMD=Yes, Socket=No
IC31: "4.2V TO 18V INPUT, 2A LOW IQ SYNCHRONOUS BUCK CONVERTER", Case=SOT23-6, Manufacturer="DIODES INCORPORATED", Author="CERN DEM HF", Bonding=No, Component Type=Standard, ComponentHeight=1.1mm, CreateDate=07.01.2022, Device=AP62201WU-7, HelpURL=\\cern.ch\dfs\Applications\Altium\Datasheets\AP6220x.pdf, LatestRevisionDate=07.01.2022, Manufacturer Part Number=AP62201WU-7, Mounted=Yes, PackageDescription="SOT23, 0.95mm Pitch; 6 Pin, 1.625mm W X 2.90mm L X 1.00mm H body, IPC Medium Density", Part Description="4.2V TO 18V INPUT, 2A LOW IQ SYNCHRONOUS BUCK CONVERTER", Part Number=AP62201WU-7, Pin Count=6, PressFit=No, Sense=No, SMD=Yes, Socket=No
J1: library part 62131621821, "Socket Header WR-PHD, Pitch 2.00 mm, SMT, Vertical, dual row, 16 pin", Contact Resistance="20 mOhm", Insulation Resistance=">1000 MOhm", Operating Temperature="-40 to 105 degC", Rated Current="2 A", Working Voltage="200 VAC", ComponentLink1Description=Manufacturer, ComponentLink1URL=http://www.we-online.de, ComponentLink2Description=Datasheet, ComponentLink2URL=http://katalog.we-online.com/em/datasheet/62131621821.pdf, Mounting Technology=SMT, Orientation=Vertical, Part Number=62131621821, Pin Number=16, Pitch="2.00 mm", Published Date="Jan. 2018", Publisher="Wurth Elektronik", Row Number=dual
J2 J3 J4 J7 J10: library part SMD_PAD_4X3MM, "Single SMD Pad", Author="CERN DEM JLC", Component Type="Standard (No BOM)", ComponentHeight=0mm, Family="SMD Pad", HelpURL=Undefined, Mounted=No, PackageDescription="4mm x  3mm SMD Pad", Part Description="4mm x 3mm SMD Pad", Part Number=SMD_PAD_4X3MM, Pin Count=1, Sense=No, SMD=No, Socket=No, Status=None